# Altium PCB 3-as-manufactured.pcbdoc (part 3 of 12)
Units mil, origin at the board's own origin, x right, y up, seen from the top; angles counter-clockwise.
Board outline 2728 x 2217 mil, 8 copper layers (L1_TOP, L2_GND, L3_INNER1, L4_GND, L5_PWR, L6_INNER2, L7_GND, L8_BOT), stack 48.618 mil thick; 227 components, 321 nets, 1592 pads, 1187 vias.
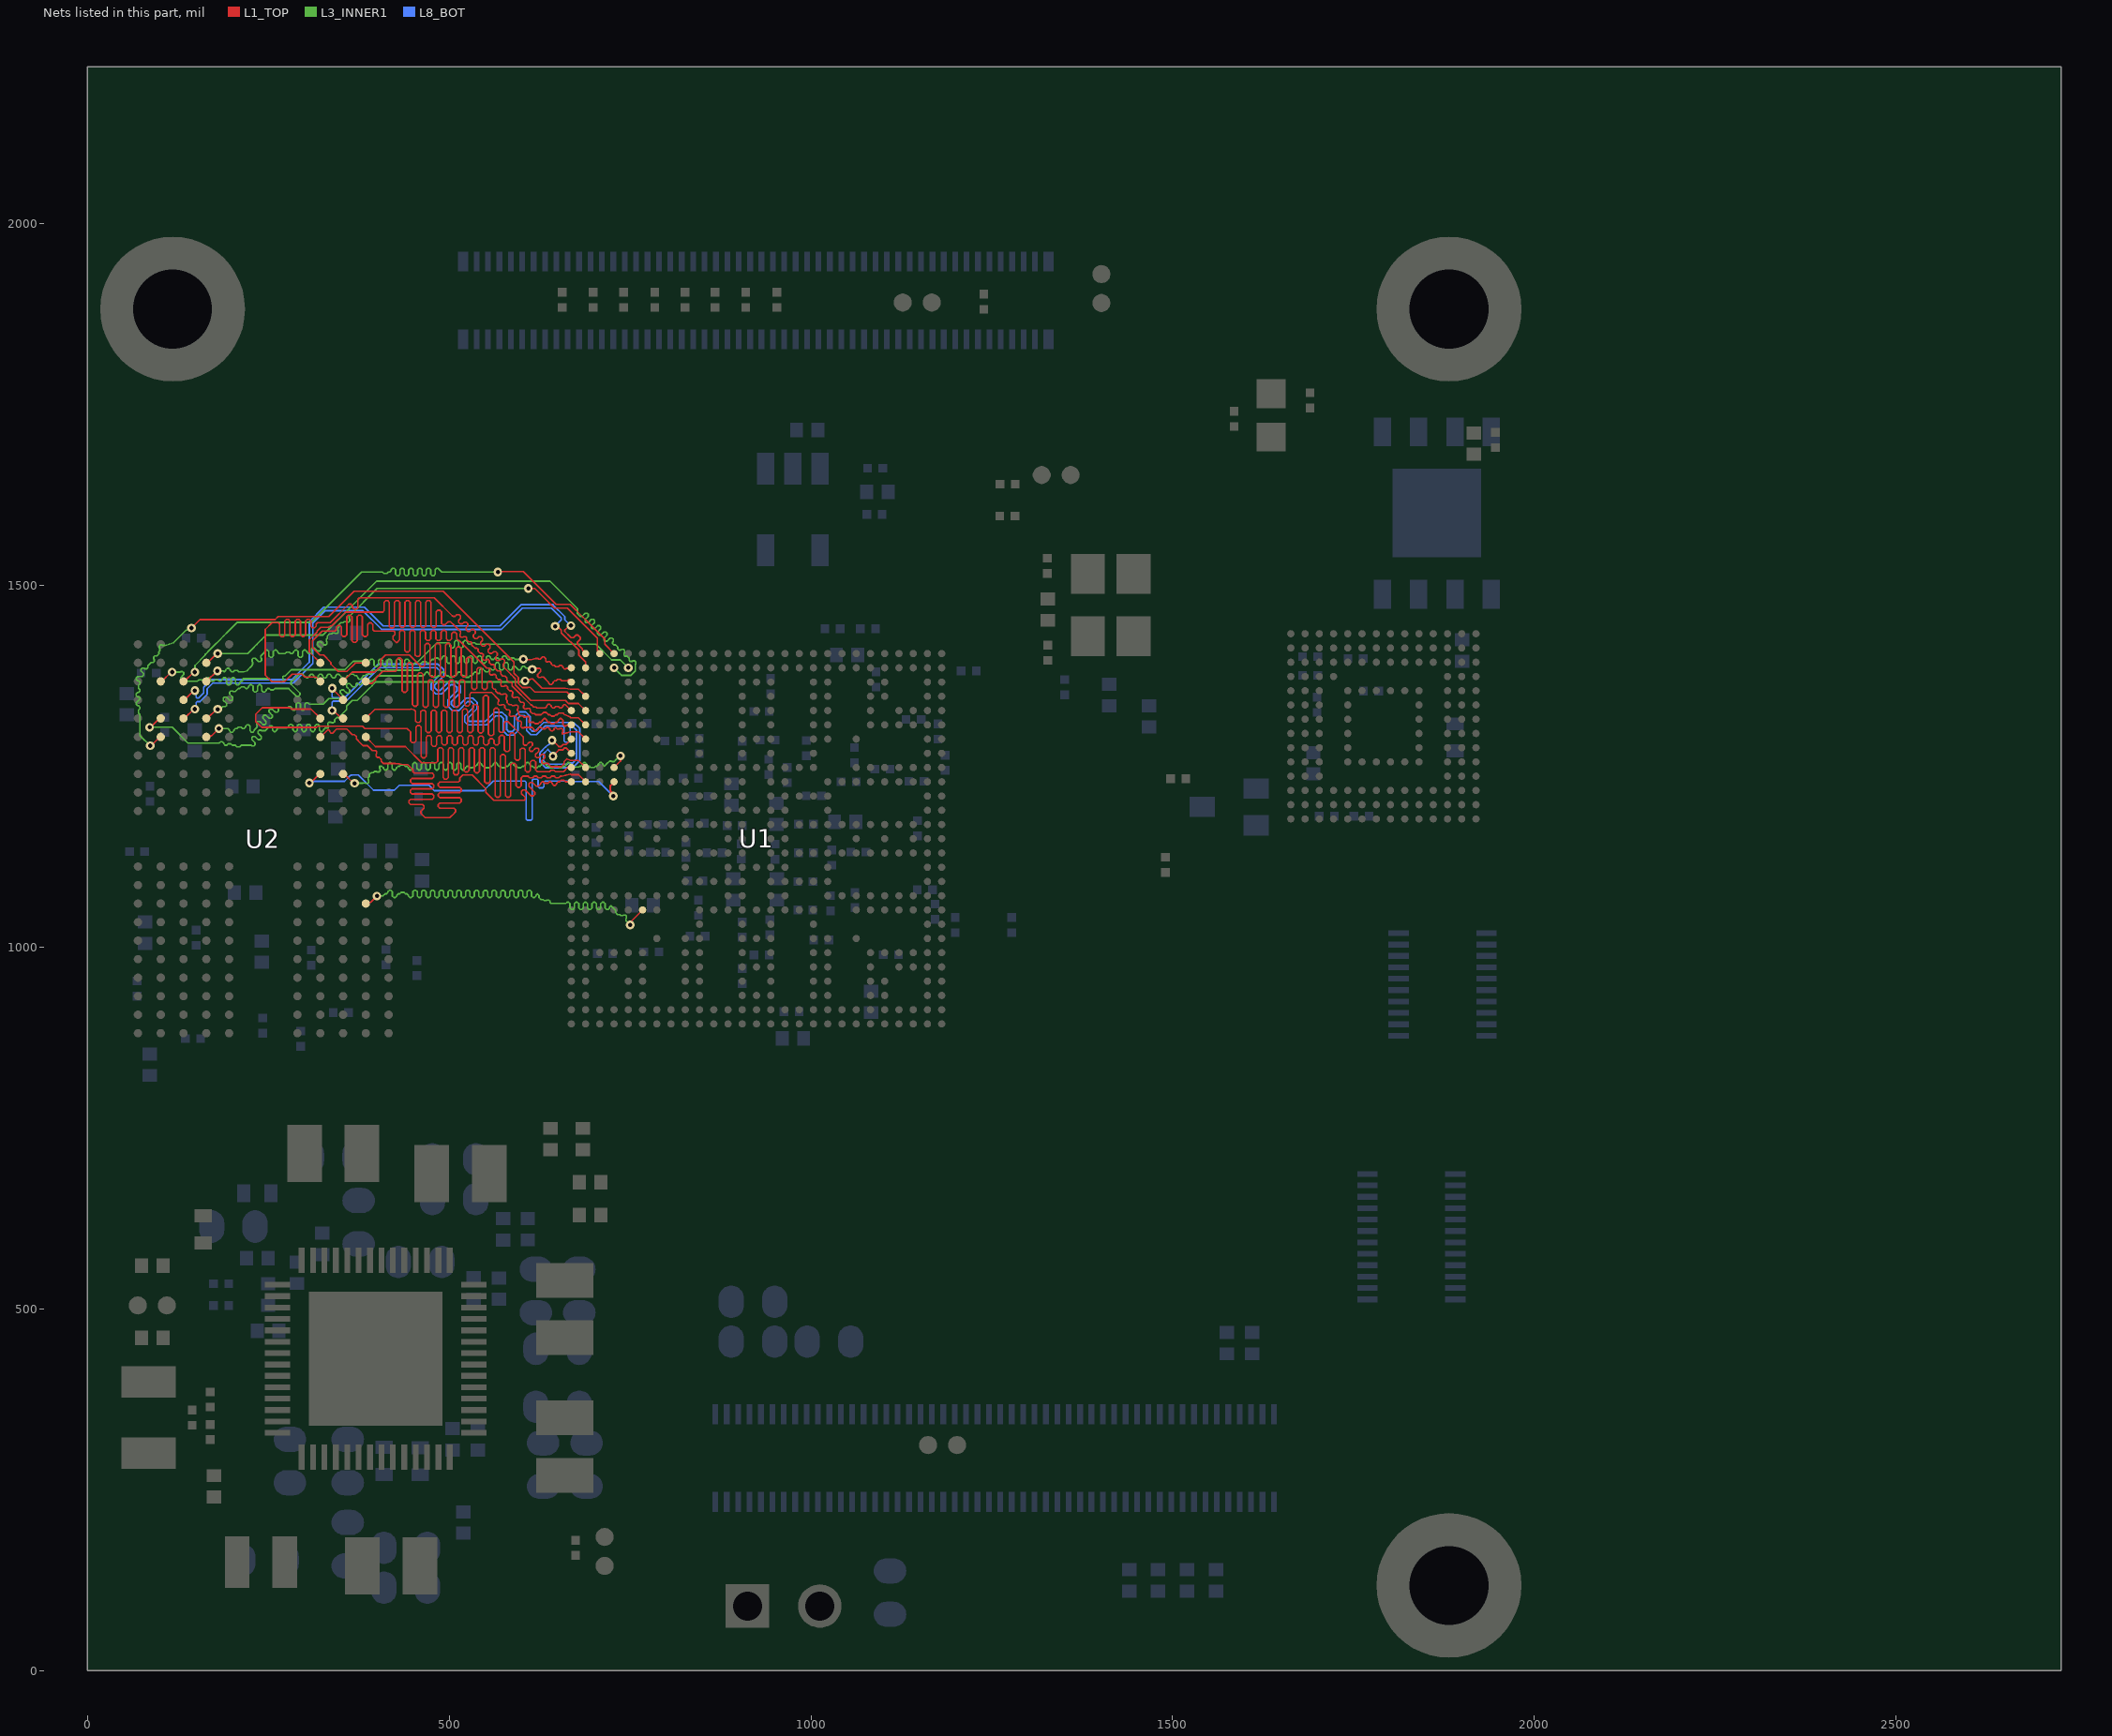
[diagram p9: the nets of this part, all layers, seen from the top]

## Via types
v1: diameter 12, hole 5.9, L1_TOP to L8_BOT, tented both sides, 1041 vias
v2: diameter 18, hole 8, L1_TOP to L8_BOT, tented both sides, 146 vias

## Nets (pads, with @x,y where several pads share a name; then routed paths per layer and width w, separated by ;. In a path a pad name is that pad's centre, name@x,y a point inside that pad or via, vN(x,y) a via of type N, cw(c..) or ccw(c..) an arc to the next point about the centre after c; other vN are vias at no path point) (continued)
DRAMA_DATA1: U1.B5 U2.Y11 | length 855.5
  L1_TOP w2.2: U2.Y11@101.6,1367.42 103.07,1367.42 115.86,1380.21 v1(117.34,1380.21)
  L3_INNER1 w2.2: v1(117.34,1380.21) 128.27,1380.22 128.98,1380.92 131.86,1380.92 133.28,1379.51 133.28,1376.63 128.98,1372.33 128.98,1369.45 130.4,1368.04 133.28,1368.04 133.99,1368.74 136.87,1368.74 138.12,1367.49 152.21,1367.49 154.24,1369.52 158.25,1369.52 160.28,1367.49 162.29,1367.49 164.32,1369.52 164.32,1370.53 166.36,1372.56 168.36,1372.56 170.4,1370.53 170.4,1369.52 172.43,1367.49 174.44,1367.49 176.47,1369.52 180.48,1369.52 182.51,1367.49 184.52,1367.49 186.55,1369.52 186.55,1370.53 188.59,1372.56 190.59,1372.56 192.63,1370.53 192.63,1364.45 194.67,1362.41 196.67,1362.41 198.7,1364.45 198.7,1370.53 200.74,1372.56 202.74,1372.56 204.78,1370.53 204.78,1364.45 206.82,1362.41 208.82,1362.41 210.86,1364.45 210.86,1365.45 212.89,1367.49 214.25,1367.49 214.25,1369.79 215.54,1371.08 251.21,1371.08 255.43,1366.85 266.26,1366.85 266.97,1366.14 268.98,1366.14 271.26,1368.43 271.26,1370.44 270.56,1371.15 270.56,1374.03 271.25,1374.73 273.26,1374.73 281.96,1383.44 355.77,1383.44 367.37,1395.04 390.3,1395.04 390.3,1396.04 392.34,1398.07 394.34,1398.07 396.37,1396.04 396.37,1389.96 398.41,1387.92 400.41,1387.92 402.45,1389.96 402.45,1396.04 404.49,1398.07 406.49,1398.07 408.53,1396.04 408.53,1389.96 410.56,1387.92 412.56,1387.92 414.6,1389.96 414.6,1396.04 416.64,1398.07 418.64,1398.07 420.68,1396.04 420.68,1389.96 422.71,1387.92 424.72,1387.92 426.75,1389.96 426.75,1396.04 428.79,1398.07 430.79,1398.07 432.83,1396.04 432.83,1389.96 434.86,1387.92 436.87,1387.92 438.9,1389.96 438.9,1396.04 440.94,1398.07 442.94,1398.07 444.98,1396.04 444.98,1393.66 448.45,1390.18 450.27,1390.18 453.09,1393 455.34,1393 483.06,1420.72 499.25,1420.72 501.28,1418.68 501.28,1415.65 503.32,1413.61 505.32,1413.61 507.36,1415.65 507.36,1421.72 509.4,1423.76 511.4,1423.76 513.44,1421.72 513.44,1415.65 515.47,1413.61 517.47,1413.61 519.51,1415.65 519.51,1421.72 521.55,1423.76 523.55,1423.76 525.59,1421.72 525.59,1420.72 527.62,1418.68 529.63,1418.68 531.66,1420.72 535.67,1420.72 537.7,1418.68 702.99,1418.68 724.67,1397 736.85,1397 v1(747.73,1386.12)
DRAMA_DATA2: U1.D2 U2.V11 | length 795.2
  L1_TOP w2.2: v1(86.2,1303.93) 87.74,1303.93 100.06,1316.24 U2.V11@101.6,1316.24 ; v1(605,1368) 606.88,1369.88 612.1,1369.88 613.2,1370.98 615.4,1370.98 623.38,1363 628.45,1357.93 660.83,1357.93 667.48,1356.6 678.82,1356.59 U1.D2@688.67,1346.75
  L3_INNER1 w2.2: v1(86.2,1303.93) 117.36,1303.93 139.18,1282.11 182.5,1282.11 184.53,1284.14 186.53,1284.14 188.57,1282.11 188.57,1281.11 190.61,1279.07 192.61,1279.07 194.65,1281.11 198.65,1281.11 200.69,1279.07 204.69,1279.07 206.69,1277.07 210.77,1277.07 212.77,1279.07 226.85,1279.07 227.56,1278.36 230.44,1278.36 231.86,1279.78 231.86,1282.66 227.56,1286.95 227.56,1289.84 228.98,1291.25 231.86,1291.25 236.15,1286.95 239.03,1286.95 240.45,1288.37 240.45,1291.25 236.15,1295.55 236.15,1298.43 237.57,1299.84 240.45,1299.84 241.16,1299.14 245.89,1299.14 252.96,1306.21 254.81,1306.21 256.1,1304.92 256.1,1300.05 258.14,1298.01 260.14,1298.01 262.18,1300.05 262.18,1301.05 264.21,1303.09 276.29,1303.09 278.33,1305.12 278.33,1306.12 280.37,1308.16 282.37,1308.16 284.41,1306.12 284.41,1300.05 286.44,1298.01 288.45,1298.01 290.48,1300.05 290.48,1306.12 292.52,1308.16 294.52,1308.16 296.56,1306.12 296.56,1300.05 298.59,1298.01 300.6,1298.01 302.63,1300.05 302.63,1306.12 304.67,1308.16 306.67,1308.16 308.71,1306.12 308.71,1300.05 310.75,1298.01 312.75,1298.01 314.78,1300.05 314.78,1306.12 316.82,1308.16 318.82,1308.16 320.86,1306.12 320.86,1300.05 322.9,1298.01 324.9,1298.01 326.94,1300.05 326.94,1301.05 328.97,1303.09 333.33,1303.09 333.33,1305.97 332.62,1306.68 332.62,1309.56 334.03,1310.97 336.91,1310.97 337.62,1310.26 340.5,1310.26 341.92,1311.68 341.92,1314.56 344.75,1317.39 347.63,1317.39 358.55,1328.31 358.55,1333.38 366.12,1340.95 373.1,1340.95 378.24,1346.1 383.39,1351.24 388.53,1356.39 393.68,1361.53 398.83,1366.68 603.68,1366.68 v1(605,1368)
DRAMA_DATA3: U1.D1 U2.U11 | length 883.6
  L1_TOP w2.2: v1(86.94,1278.52) 88.2,1278.52 100.33,1290.65 U2.U11@101.6,1290.65 ; v1(144.01,1441.13) 155.73,1452.85 259.61,1452.85 263.87,1457.12 333.75,1457.12 368.64,1492 492,1492 589.82,1394.18 589.82,1378.71 595.9,1372.63 595.9,1364.23 601.23,1358.9 608.77,1358.9 609,1359.13 612.06,1359.13 618.41,1352.78 662.93,1352.78 665.41,1350.3 U1.D1@668.98,1346.75
  L3_INNER1 w2.2: v1(86.94,1278.52) 72.84,1292.63 72.84,1321.63 70.81,1323.67 70.81,1327.67 72.84,1329.71 72.84,1331.71 70.81,1333.75 69.8,1333.75 67.77,1335.78 67.77,1337.78 72.77,1342.79 72.77,1344.61 71.48,1345.9 69.8,1345.9 67.77,1347.93 67.77,1349.94 69.8,1351.97 70.81,1351.97 72.84,1354.01 72.84,1356.01 70.81,1358.05 70.81,1362.05 72.84,1364.09 72.84,1366.09 70.81,1368.13 69.8,1368.13 67.77,1370.16 67.77,1372.17 69.8,1374.2 75.88,1374.2 77.92,1376.24 77.92,1378.24 75.88,1380.28 74.25,1381.91 74.25,1383.73 76.08,1385.55 78.96,1385.55 79.67,1384.84 82.55,1384.84 83.96,1386.26 83.96,1389.14 88.26,1393.44 91.14,1393.44 92.55,1394.85 92.55,1397.73 91.85,1398.44 91.85,1401.32 93.26,1402.74 96.14,1402.74 98.97,1405.57 98.97,1408.45 100.39,1409.86 100.39,1412.74 99.68,1413.45 99.68,1416.33 101.1,1417.75 103.98,1417.75 104.69,1417.04 107.57,1417.04 113.63,1418.98 118.88,1420.66 119.39,1420.82 119.77,1421.2 136.57,1438 138.23,1438 141.36,1441.13 v1(144.01,1441.13)
DRAMA_DATA4: U1.C1 U2.U9 | length 769.1
  L1_TOP w2.2: U2.U9@164.59,1290.65 166.01,1292.07 171.8,1292.07 v1(181.93,1302.2) ; v1(615,1384) 616.48,1385.48 625.4,1385.48 626.8,1384.09 626.8,1381.2 622.5,1376.91 622.5,1374.03 623.92,1372.61 626.8,1372.61 627.5,1373.32 630.39,1373.32 637.64,1366.06 637.64,1365.06 639.68,1363.03 641.68,1363.03 643.72,1365.06 643.72,1366.06 645.75,1368.1 647.76,1368.1 649.79,1370.14 653.8,1370.14 655.83,1368.1 663.51,1368.1 665.41,1370 U1.C1@668.98,1366.44
  L3_INNER1 w2.2: v1(181.93,1302.2) 190,1302.2 194.58,1302.2 196.62,1300.17 196.62,1299.17 198.66,1297.13 200.66,1297.13 202.69,1299.17 202.69,1300.17 204.73,1302.2 206.73,1302.2 208.77,1304.24 212.77,1304.24 214.81,1302.2 216.81,1302.2 218.85,1304.24 218.85,1305.24 220.89,1307.28 222.89,1307.28 224.93,1305.24 224.93,1299.17 226.96,1297.13 228.96,1297.13 231,1299.17 231,1300.17 234.9,1304.07 234.9,1306.95 234.2,1307.66 234.2,1310.54 235.61,1311.95 238.49,1311.95 242.79,1307.66 245.79,1307.66 247.08,1308.95 247.08,1311.95 242.79,1316.25 242.79,1319.13 244.2,1320.55 247.08,1320.55 251.38,1316.25 254.26,1316.25 255.68,1317.67 255.68,1320.55 251.38,1324.84 251.38,1327.72 252.8,1329.14 255.68,1329.14 259.97,1324.84 262.85,1324.84 264.27,1326.26 264.27,1329.4 265.56,1330.69 276.56,1330.69 278.6,1332.73 280.6,1332.73 282.64,1330.69 282.64,1329.69 284.67,1327.65 286.68,1327.65 288.71,1329.69 288.71,1335.76 290.75,1337.8 292.75,1337.8 294.79,1335.76 294.79,1329.69 296.82,1327.65 298.83,1327.65 300.86,1329.69 300.86,1335.76 302.9,1337.8 304.9,1337.8 306.94,1335.76 326,1335.76 333.76,1343.52 349.12,1343.52 349.83,1342.81 352.71,1342.81 354.12,1344.23 354.12,1347.11 349.83,1351.41 349.83,1354.29 351.24,1355.7 354.12,1355.7 358.42,1351.41 361.3,1351.41 362.72,1352.82 362.72,1355.7 358.42,1360 358.42,1362.88 359.84,1364.29 362.72,1364.29 367.01,1360 369.89,1360 371.31,1361.41 371.31,1363.56 372.6,1364.84 373.78,1364.84 375.82,1362.81 377.82,1362.81 379.85,1364.84 379.85,1365.85 381.89,1367.88 383.89,1367.88 385.93,1365.85 389.93,1365.85 391.97,1367.88 393.97,1367.88 397.6,1371.5 401.22,1375.13 464.5,1375.13 466.54,1377.16 466.54,1378.17 468.57,1380.2 470.58,1380.2 472.61,1378.17 472.61,1377.16 474.65,1375.13 476.65,1375.13 478.69,1373.09 482.69,1373.09 484.73,1375.13 486.73,1375.13 488.77,1377.16 488.77,1378.17 490.8,1380.2 492.81,1380.2 494.84,1378.17 494.84,1377.16 496.88,1375.13 498.88,1375.13 500.92,1373.09 504.92,1373.09 506.96,1375.13 508.96,1375.13 511,1377.16 511,1378.17 513.04,1380.2 515.04,1380.2 517.07,1378.17 517.07,1377.16 519.11,1375.13 521.11,1375.13 523.15,1373.09 527.15,1373.09 529.19,1375.13 531.19,1375.13 533.23,1377.16 533.23,1378.17 535.27,1380.2 537.27,1380.2 539.29,1378.18 541.01,1378.18 542.29,1379.46 542.29,1383.26 543.71,1384.67 546.59,1384.67 550.89,1380.38 553.77,1380.38 555.18,1381.79 555.18,1383.93 556.47,1385.22 557.57,1385.22 559.6,1383.19 561.61,1383.19 563.64,1385.22 563.64,1391.3 565.68,1393.33 567.68,1393.33 569.72,1391.3 569.72,1385.22 571.75,1383.19 573.76,1383.19 575.79,1385.22 575.79,1391.3 577.83,1393.33 579.83,1393.33 581.87,1391.3 581.87,1385.22 583.91,1383.19 585.91,1383.19 587.94,1385.22 587.94,1386.9 589.23,1388.19 591.06,1388.19 594.02,1385.22 596.06,1383.19 598.06,1383.19 600.1,1385.22 600.1,1386.22 602.13,1388.26 603.95,1388.26 606.34,1385.88 613.12,1385.88 v1(615,1384)
DRAMA_DATA5: U1.B1 U2.V9 | length 791.4
  L1_TOP w2.2: U2.V9@164.59,1316.24 166.08,1316.24 178.84,1329 v1(180.33,1329) ; v1(602.51,1398.13) 603.43,1397.22 613.29,1397.22 613.87,1397.29 619.84,1398.91 623.21,1398.91 624.18,1397.94 626,1397.94 629.25,1401.19 631.07,1401.19 633.55,1398.71 633.55,1395.58 634.84,1394.29 636.66,1394.29 637.11,1394.74 639.11,1394.74 641.15,1392.7 641.15,1391.7 643.18,1389.67 645.18,1389.67 647.22,1387.63 651.23,1387.63 653.26,1389.67 655.26,1389.67 657.3,1387.63 657.3,1386.63 659.34,1384.59 661.34,1384.59 662.26,1385.51 668.37,1385.51 U1.B1@668.98,1386.12
  L3_INNER1 w2.2: v1(180.33,1329) 183.79,1329 187.38,1332.58 191.1,1332.58 192.52,1334 192.52,1336.88 188.22,1341.18 188.22,1344.06 189.63,1345.47 192.52,1345.47 196.81,1341.18 199.69,1341.18 201.11,1342.59 201.11,1345.47 196.81,1349.77 196.81,1352.65 198.23,1354.06 201.11,1354.06 201.82,1353.36 204.7,1353.36 208.97,1357.63 210.97,1357.63 213.01,1359.67 217.01,1359.67 219.05,1357.63 221.05,1357.63 223.09,1359.67 223.09,1360.67 225.12,1362.7 227.13,1362.7 229.16,1360.67 229.16,1354.59 231.2,1352.56 233.2,1352.56 235.24,1354.59 235.24,1360.67 237.27,1362.7 239.28,1362.7 241.31,1360.67 241.31,1354.59 243.35,1352.56 245.35,1352.56 247.39,1354.59 247.39,1355.59 249.43,1357.63 251.43,1357.63 253.46,1355.59 257.47,1355.59 259.51,1357.63 278.37,1357.63 289,1347 292,1347 294,1349 294,1351 281.64,1363.36 281.64,1368 283.46,1368 292.98,1377.51 297.67,1377.51 303.04,1372.14 305.04,1372.14 307.08,1374.17 307.08,1375.18 309.12,1377.21 311.12,1377.21 313.16,1375.18 313.16,1374.17 315.19,1372.14 317.19,1372.14 319.23,1374.17 319.23,1375.18 321.27,1377.21 323.27,1377.21 325.31,1375.18 325.31,1374.17 327.34,1372.14 329.35,1372.14 331.38,1374.17 331.38,1375.18 333.42,1377.21 335.42,1377.21 337.46,1375.18 337.46,1374.17 339.49,1372.14 341.5,1372.14 343.53,1374.17 343.53,1375.18 345.57,1377.21 347.57,1377.21 351.65,1373.14 351.65,1372.14 353.68,1370.1 355.68,1370.1 357.72,1372.14 357.72,1373.14 359.76,1375.18 361.76,1375.18 363.8,1377.21 367.8,1377.21 369.84,1375.18 371.84,1375.18 373.88,1373.14 373.88,1372.14 375.91,1370.1 377.91,1370.1 379.95,1372.14 379.95,1373.14 381.99,1375.18 383.99,1375.18 386.03,1377.21 392.11,1377.21 393.4,1378.5 393.4,1381.64 394.82,1383.06 397.7,1383.06 398.41,1382.35 401.29,1382.35 402.51,1383.57 404.51,1383.57 406.54,1381.54 410.55,1381.54 412.58,1383.57 414.41,1383.57 415.25,1382.72 455.73,1382.72 455.87,1382.86 458.76,1382.86 460.17,1384.28 460.17,1387.16 459.46,1387.87 459.46,1390.75 463.27,1394.55 468.34,1394.55 470.38,1392.51 472.38,1392.51 474.42,1394.55 474.42,1395.55 476.45,1397.59 478.45,1397.59 480.49,1399.63 484.5,1399.63 486.53,1397.59 488.53,1397.59 490.57,1399.63 490.57,1400.63 492.61,1402.66 494.61,1402.66 496.65,1400.63 496.65,1394.55 498.68,1392.51 500.69,1392.51 502.72,1394.55 502.72,1400.63 504.76,1402.66 506.76,1402.66 508.8,1400.63 508.8,1394.55 510.83,1392.51 512.84,1392.51 514.87,1394.55 514.87,1400.63 516.91,1402.66 518.91,1402.66 520.95,1400.63 520.95,1394.55 522.99,1392.51 524.99,1392.51 527.02,1394.55 527.02,1400.63 529.06,1402.66 531.06,1402.66 533.1,1400.63 533.1,1394.55 535.14,1392.51 537.14,1392.51 539.18,1394.55 539.18,1400.63 541.21,1402.66 543.21,1402.66 545.25,1400.63 545.25,1394.55 547.29,1392.51 549.29,1392.51 551.33,1394.55 551.33,1400.63 553.36,1402.66 555.37,1402.66 557.4,1400.63 557.4,1399.63 559.44,1397.59 561.44,1397.59 563.48,1399.63 567.48,1399.63 569.52,1397.59 571.52,1397.59 573.56,1399.63 573.56,1400.63 575.59,1402.66 577.6,1402.66 579.63,1400.63 579.63,1399.63 581.67,1397.59 583.67,1397.59 585.71,1399.63 589.71,1399.63 591.75,1397.59 601.97,1397.59 v1(602.51,1398.13)
DRAMA_DATA6: U1.A3 U2.Y9 | length 752.7
  L1_TOP w2.2: U2.Y9@164.59,1367.42 165,1367.42 179.48,1381.9 v1(179.89,1381.9) ; v1(609.55,1495.78) 618.47,1495.78 634.78,1479.47 640.22,1474.04 645.65,1468.6 663.5,1468.6 704.78,1427.31 704.78,1409.37 U1.A3@708.35,1405.81
  L3_INNER1 w2.2: v1@179.9,1381.91 187.95,1381.91 189.47,1380.39 191.51,1382.43 191.51,1383.43 193.54,1385.47 195.55,1385.47 197.58,1383.43 197.58,1382.43 199.62,1380.39 201.62,1380.39 203.66,1382.43 207.66,1382.43 209.7,1380.39 216.51,1380.39 220.79,1381.93 222.16,1383.31 222.16,1383.42 226.37,1387.63 226.71,1388.07 228.6,1391.28 228.6,1394.16 227.9,1394.87 227.9,1397.75 229.31,1399.17 232.19,1399.17 236.49,1394.87 239.37,1394.87 240.78,1396.29 240.78,1399.17 240.08,1399.88 240.08,1402.76 245.01,1407.69 245.01,1408.69 247.05,1410.73 249.05,1410.73 251.09,1408.69 251.09,1402.62 253.12,1400.58 255.13,1400.58 257.16,1402.62 257.16,1408.69 259.2,1410.73 261.2,1410.73 263.24,1408.69 263.24,1407.69 265.28,1405.65 273.32,1405.65 275.36,1407.69 279.36,1407.69 281.4,1405.65 283.4,1405.65 285.44,1407.69 285.44,1408.69 287.47,1410.73 289.47,1410.73 291.51,1408.69 291.51,1402.62 293.55,1400.58 295.55,1400.58 297.59,1402.62 297.59,1408.69 299.62,1410.73 301.62,1410.73 303.66,1408.69 303.66,1407.69 305.7,1405.65 310.47,1405.65 310.47,1408.53 309.76,1409.24 309.76,1412.12 311.18,1413.54 314.06,1413.54 318.36,1409.24 321.24,1409.24 322.65,1410.66 322.65,1413.54 318.36,1417.83 318.36,1420.72 319.77,1422.13 322.65,1422.13 326.95,1417.83 329.83,1417.83 331.25,1419.25 331.25,1422.13 330.54,1422.84 330.54,1425.72 331.95,1427.13 331.95,1430.02 334.78,1432.85 337.66,1432.85 339.08,1434.26 341.96,1434.26 342.67,1433.55 345.55,1433.55 346.96,1434.97 346.96,1437.85 346.26,1438.56 346.26,1441.44 347.67,1442.85 347.67,1445.73 350.5,1448.57 353.38,1448.57 354.8,1449.98 357.68,1449.98 358.39,1449.27 361.27,1449.27 362.68,1450.69 362.68,1453.57 361.98,1454.28 361.98,1457.16 400.6,1495.78 v1(609.55,1495.78)
DRAMA_DATA7: U1.B4 U2.AA9 | length 819.6
  L1_TOP w2.2: U2.AA9@164.59,1393.01 166.06,1393.01 178.86,1405.81 v1(180.33,1405.81)
  L3_INNER1 w2.2: v1(180.33,1405.81) 221.7,1405.81 228.06,1412.17 234.43,1418.54 240.8,1424.91 247.16,1431.27 325.5,1431.27 400.08,1505.86 639.54,1505.86 677.42,1467.97 677.42,1460.8 680.99,1457.23 683.87,1457.23 688.16,1461.53 691.04,1461.53 692.46,1460.11 692.46,1457.23 688.16,1452.94 688.16,1450.06 689.58,1448.64 692.46,1448.64 696.76,1452.94 699.64,1452.94 701.05,1451.52 701.05,1448.64 696.76,1444.34 696.76,1441.46 698.17,1440.05 701.05,1440.05 705.35,1444.34 708.23,1444.34 709.64,1442.93 709.64,1440.05 705.35,1435.75 705.35,1432.87 706.76,1431.46 709.64,1431.46 713.94,1435.75 716.82,1435.75 718.24,1434.34 718.24,1431.46 713.94,1427.16 713.94,1424.28 715.36,1422.86 718.24,1422.86 722.53,1427.16 725.41,1427.16 726.83,1425.74 726.83,1422.86 726.12,1422.16 726.12,1419.27 727.54,1417.86 730.42,1417.86 733.25,1415.03 733.25,1412.15 734.66,1410.73 737.54,1410.73 738.25,1411.44 741.13,1411.44 742.55,1410.02 742.55,1407.14 741.84,1406.44 741.84,1403.56 743.26,1402.14 746.14,1402.14 748.97,1399.31 748.97,1396.43 750.38,1395.01 753.26,1395.01 753.97,1395.72 756.85,1395.72 758.27,1394.3 758.27,1391.42 757.56,1390.72 757.56,1381.95 751.41,1375.8 738.38,1375.8 734.98,1379.19 731.59,1382.58 v1(728.04,1386.12)
DRAMA_DATA8: U1.F2 U2.AA2 | length 958.8
  L1_TOP w2.2: U2.AA2@385.06,1393.01 370.78,1393.01 358.77,1381 347,1381 336.78,1391.22 336.78,1393.64 326.56,1403.86 321.47,1403.86 311.22,1414.11 311.22,1423.09 324.96,1436.83 341,1436.83 342.1,1436.83 344.26,1438.99 344.26,1442.34 346.42,1444.5 349.3,1444.5 351.46,1442.34 351.46,1431.61 353.62,1429.45 356.5,1429.45 358.66,1431.61 358.66,1456.64 360.82,1458.8 363.7,1458.8 365.86,1456.64 365.86,1423.31 368.02,1421.15 370.9,1421.15 373.06,1423.31 373.06,1456.64 375.22,1458.8 378.1,1458.8 380.26,1456.64 380.26,1431.61 382.42,1429.45 385.3,1429.45 387.46,1431.61 387.46,1445.99 389.62,1448.15 392.5,1448.15 394.66,1445.99 394.66,1438.99 396.82,1436.83 421.09,1436.83 423.79,1436.83 425.08,1435.54 425.08,1432.08 422.66,1429.66 422.66,1425.49 427.41,1420.74 428.22,1421.56 431.48,1424.82 431.48,1435.62 433.64,1437.78 436.52,1437.78 438.68,1435.62 438.68,1410.17 440.84,1408.01 443.72,1408.01 445.88,1410.17 445.88,1435.62 448.04,1437.78 450.92,1437.78 453.08,1435.62 453.08,1404.01 455.24,1401.85 458.12,1401.85 460.28,1404.01 460.28,1435.62 462.44,1437.78 465.32,1437.78 467.48,1435.62 467.48,1426.16 469.64,1424 472.52,1424 474.68,1426.16 474.68,1435.62 476.84,1437.78 479.72,1437.78 481.88,1435.62 481.88,1426.16 484.04,1424 486.92,1424 489.08,1426.16 489.08,1435.62 491.24,1437.78 494.12,1437.78 496.28,1435.62 496.28,1426.16 498.44,1424 501.32,1424 503.48,1426.16 503.48,1433.16 505.64,1435.32 508.52,1435.32 510.68,1433.16 510.68,1426.16 512.84,1424 513.96,1424 552.3,1385.66 555.18,1385.66 556.59,1384.25 556.59,1381.37 555.88,1380.66 555.88,1377.78 557.3,1376.36 560.18,1376.36 560.89,1377.07 563.77,1377.07 565.18,1375.66 565.18,1372.78 568.01,1369.94 570.9,1369.94 572.31,1368.53 572.31,1365.65 571.6,1364.94 571.6,1362.06 573.02,1360.65 575.9,1360.65 576.61,1361.35 579.49,1361.35 580.9,1359.94 580.9,1357.06 583.73,1354.23 586.61,1354.23 588.03,1352.81 588.03,1349.93 587.32,1349.22 587.32,1346.34 588.74,1344.93 591.62,1344.93 592.33,1345.63 595.21,1345.63 596.62,1344.22 596.62,1341.34 599.45,1338.51 602.33,1338.51 603.75,1337.09 603.75,1334.21 603.04,1333.5 603.04,1330.62 604.46,1329.21 607.34,1329.21 608.05,1329.91 610.93,1329.91 612.34,1328.5 612.34,1325.62 615.17,1322.79 618.05,1322.79 619.47,1321.37 627.27,1321.37 630.3,1324.41 634.38,1324.41 637.42,1321.37 639.42,1321.37 641.45,1319.33 645.46,1319.33 647.5,1321.37 649.5,1321.37 651.53,1323.41 657.61,1323.41 659.65,1321.37 667.48,1317.98 668.24,1317.23 678.82,1317.23 U1.F2@688.67,1307.38
DRAMA_DATA9: U1.G2 U2.Y2 | length 921.9
  L1_TOP w2.2: U2.Y2@385.06,1367.42 387.84,1364.64 393.65,1364.64 398.5,1369.49 398.5,1371.56 408.15,1381.21 410.24,1381.21 425.74,1381.21 427.9,1383.37 427.9,1397.44 430.06,1399.6 432.94,1399.6 435.1,1397.44 435.1,1354.59 437.26,1352.43 440.14,1352.43 442.3,1354.59 442.3,1391.4 444.46,1393.56 447.34,1393.56 449.5,1391.4 449.5,1335.21 451.66,1333.05 454.54,1333.05 456.7,1335.21 456.7,1377 458.86,1379.16 461.74,1379.16 463.9,1377 463.9,1333.82 466.06,1331.66 468.94,1331.66 471.1,1333.82 471.1,1367.44 473.26,1369.6 476.14,1369.6 478.3,1367.44 478.3,1333.82 480.46,1331.66 483.34,1331.66 485.5,1333.82 485.5,1367.44 487.66,1369.6 490.54,1369.6 492.7,1367.44 492.7,1333.82 494.86,1331.66 497.74,1331.66 499.9,1333.82 499.9,1367.44 502.06,1369.6 504.94,1369.6 507.1,1367.44 507.1,1333.82 509.26,1331.66 512.14,1331.66 514.3,1333.82 514.3,1367.44 516.46,1369.6 519.34,1369.6 521.5,1367.44 521.5,1335.55 523.66,1333.39 526.54,1333.39 528.7,1335.55 528.7,1349.84 530.86,1352 535.25,1352 558.96,1352 568.52,1342.44 568.52,1339.56 567.82,1338.85 567.82,1335.97 569.23,1334.55 572.11,1334.55 572.82,1335.26 575.7,1335.26 577.12,1333.84 577.12,1330.96 579.95,1328.13 582.83,1328.13 584.24,1326.72 584.24,1323.84 583.53,1323.13 583.53,1320.25 584.95,1318.83 587.83,1318.83 588.54,1319.54 591.42,1319.54 592.83,1318.12 592.83,1315.24 595.67,1312.41 598.55,1312.41 599.96,1311 599.96,1308.12 599.25,1307.41 599.25,1304.53 600.67,1303.11 603.55,1303.11 604.26,1303.82 614.84,1303.82 616.87,1301.78 616.87,1300.78 618.91,1298.75 620.91,1298.75 622.95,1300.78 622.95,1301.78 624.99,1303.82 626.99,1303.82 629.03,1301.78 633.03,1301.78 635.07,1303.82 637.07,1303.82 639.11,1301.78 639.11,1300.78 641.14,1298.75 643.14,1298.75 645.18,1300.78 645.18,1301.78 647.22,1303.82 649.56,1301.48 652.44,1301.48 653.15,1302.19 656.03,1302.19 657.44,1300.77 657.44,1297.89 656.74,1297.18 656.74,1294.3 662.11,1295.93 667.48,1297.56 678.82,1297.55 U1.G2@688.67,1287.7